# Altium PCB Axiom_Gamma_LSB.PcbDoc (part 3 of 4)
Units mm, origin at the board's own origin, x right, y up, seen from the top; angles counter-clockwise.
Board outline 111 x 121 mm, 4 copper layers (Component Side, Signal Layer, Ground Plane, Solder Side), stack 0.844 mm thick; 55 components, 86 nets, 485 pads, 241 vias.
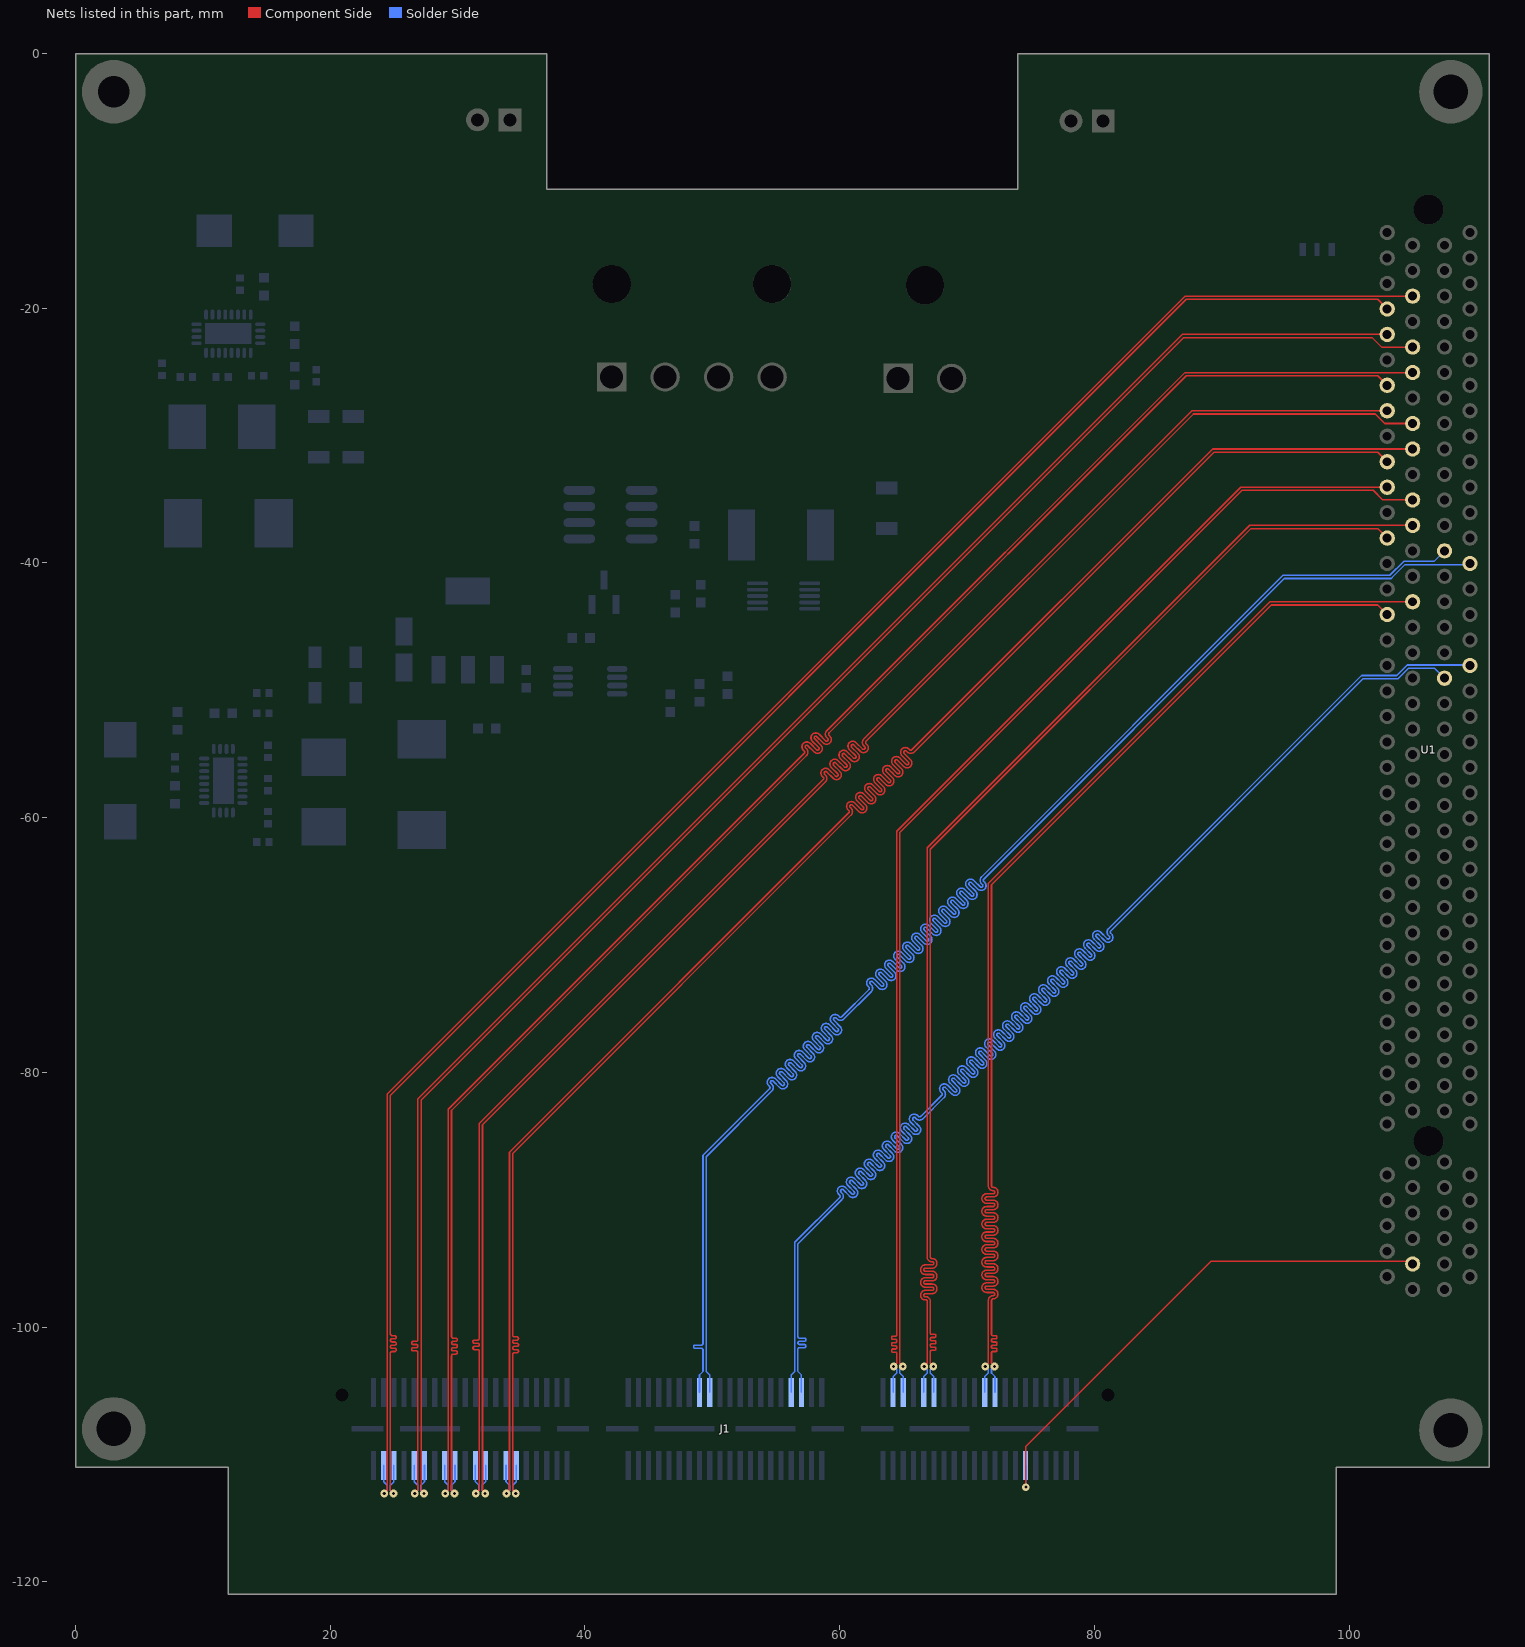
[diagram p5: the nets of this part, all layers, seen from the top]

## Via types
v1: diameter 0.6, hole 0.25, Component Side to Solder Side, 241 vias

## Nets (pads, with @x,y where several pads share a name; then routed paths per layer and width w, separated by ;. In a path a pad name is that pad's centre, name@x,y a point inside that pad or via, vN(x,y) a via of type N, cw(c..) or ccw(c..) an arc to the next point about the centre after c; other vN are vias at no path point) (continued)
HSIOM2_LVDS_9_N: J1.48 U1.B48 | length 135.5
  Solder Side w0.125: J1.48@56.198,-105.135 56.198,-103.761 56.473,-103.486 56.473,-102 56.473,-101.875 56.473,-101.75 56.473,-100.75 56.473,-100.3 56.473,-93.352 60,-89.826 ccw(c59.912,-89.738) 60.037,-89.738 ccw(c59.912,-89.738) 60,-89.649 59.929,-89.578 cw(c60.194,-89.313) 59.929,-89.048 cw(c60.194,-89.313) 60.46,-89.048 60.955,-89.543 ccw(c61.043,-89.455) 61.131,-89.543 ccw(c61.043,-89.455) 61.168,-89.455 ccw(c61.043,-89.455) 61.131,-89.366 60.636,-88.871 cw(c60.902,-88.606) 60.636,-88.341 cw(c60.902,-88.606) 61.167,-88.341 61.662,-88.836 ccw(c61.75,-88.748) 61.838,-88.836 ; 61.838,-88.836 ccw(c61.75,-88.748) 61.875,-88.748 ccw(c61.75,-88.748) 61.838,-88.659 61.344,-88.164 cw(c61.609,-87.899) 61.344,-87.634 cw(c61.609,-87.899) 61.874,-87.634 62.369,-88.129 ; 62.369,-88.129 ccw(c62.457,-88.04) 62.545,-88.129 ; 62.546,-88.129 ccw(c62.457,-88.04) 62.582,-88.04 ccw(c62.457,-88.04) 62.546,-87.952 62.051,-87.457 cw(c62.316,-87.192) 62.051,-86.927 cw(c62.316,-87.192) 62.581,-86.927 63.076,-87.422 ccw(c63.164,-87.333) 63.253,-87.422 ccw(c63.164,-87.333) 63.289,-87.333 ccw(c63.164,-87.333) 63.253,-87.245 62.758,-86.75 cw(c63.023,-86.485) 62.758,-86.22 cw(c63.023,-86.485) 63.288,-86.22 63.783,-86.715 ccw(c63.871,-86.626) 63.96,-86.715 ccw(c63.871,-86.626) 63.996,-86.626 ccw(c63.871,-86.626) 63.96,-86.538 63.465,-86.043 cw(c63.73,-85.778) 63.465,-85.513 cw(c63.73,-85.778) 63.995,-85.513 64.49,-86.008 ccw(c64.579,-85.919) 64.667,-86.008 ccw(c64.579,-85.919) 64.704,-85.919 ccw(c64.579,-85.919) 64.667,-85.831 64.172,-85.336 cw(c64.437,-85.071) 64.172,-84.805 cw(c64.437,-85.071) 64.702,-84.805 65.197,-85.3 ccw(c65.286,-85.212) 65.374,-85.3 ccw(c65.286,-85.212) 65.411,-85.212 ccw(c65.286,-85.212) 65.374,-85.124 64.879,-84.629 cw(c65.144,-84.363) 64.879,-84.098 cw(c65.144,-84.363) 65.409,-84.098 ; 65.41,-84.098 65.904,-84.593 ccw(c65.993,-84.505) 66.081,-84.593 ccw(c65.993,-84.505) 66.118,-84.505 ccw(c65.993,-84.505) 66.081,-84.417 ; 66.081,-84.417 65.586,-83.922 cw(c65.851,-83.656) 65.586,-83.391 cw(c65.851,-83.656) 66.117,-83.391 66.188,-83.463 ccw(c66.276,-83.376) 66.363,-83.463 68.026,-81.8 ccw(c67.938,-81.712) 68.063,-81.712 ccw(c67.938,-81.712) 68.026,-81.623 67.955,-81.553 cw(c68.22,-81.287) 67.955,-81.022 cw(c68.22,-81.287) 68.486,-81.022 68.981,-81.517 ccw(c69.069,-81.429) 69.157,-81.518 ; 69.157,-81.517 ccw(c69.069,-81.429) 69.194,-81.429 ccw(c69.069,-81.429) 69.157,-81.34 68.662,-80.845 cw(c68.928,-80.58) 68.662,-80.315 cw(c68.928,-80.58) 69.193,-80.315 69.688,-80.81 ; 69.688,-80.81 ccw(c69.776,-80.722) 69.864,-80.81 ; 69.864,-80.81 ccw(c69.776,-80.722) 69.901,-80.722 ccw(c69.776,-80.722) 69.864,-80.633 ; 69.865,-80.634 69.369,-80.138 cw(c69.635,-79.873) 69.369,-79.608 cw(c69.635,-79.873) 69.9,-79.608 70.395,-80.103 ccw(c70.483,-80.015) 70.571,-80.103 ; 70.572,-80.103 ccw(c70.483,-80.015) 70.608,-80.015 ccw(c70.483,-80.015) 70.572,-79.926 70.077,-79.431 cw(c70.342,-79.166) 70.077,-78.901 cw(c70.342,-79.166) 70.607,-78.901 71.102,-79.396 ccw(c71.19,-79.307) 71.278,-79.396 ccw(c71.19,-79.307) 71.315,-79.307 ccw(c71.19,-79.307) 71.279,-79.219 70.784,-78.724 cw(c71.049,-78.459) 70.784,-78.194 cw(c71.049,-78.459) 71.314,-78.194 71.809,-78.689 ccw(c71.897,-78.6) 71.986,-78.689 ccw(c71.897,-78.6) 72.022,-78.6 ccw(c71.897,-78.6) 71.986,-78.512 71.491,-78.017 cw(c71.756,-77.752) 71.491,-77.487 cw(c71.756,-77.752) 72.021,-77.487 72.516,-77.982 ccw(c72.605,-77.893) 72.693,-77.982 ; 72.693,-77.982 ccw(c72.605,-77.893) 72.73,-77.893 ccw(c72.605,-77.893) 72.693,-77.805 72.198,-77.31 cw(c72.463,-77.045) 72.198,-76.779 cw(c72.463,-77.045) 72.728,-76.779 73.223,-77.274 ccw(c73.312,-77.186) 73.4,-77.275 ; 73.4,-77.274 ccw(c73.312,-77.186) 73.437,-77.186 ccw(c73.312,-77.186) 73.4,-77.098 72.905,-76.603 cw(c73.17,-76.338) 72.905,-76.072 cw(c73.17,-76.338) 73.435,-76.072 73.931,-76.568 ccw(c74.019,-76.479) 74.107,-76.568 ; 74.108,-76.567 ccw(c74.019,-76.479) 74.144,-76.479 ccw(c74.019,-76.479) 74.107,-76.391 73.612,-75.896 cw(c73.877,-75.63) 73.612,-75.365 cw(c73.877,-75.63) 74.143,-75.365 74.638,-75.86 ccw(c74.726,-75.772) 74.814,-75.861 ccw(c74.726,-75.772) 74.851,-75.772 ccw(c74.726,-75.772) 74.814,-75.683 74.319,-75.188 cw(c74.584,-74.923) 74.319,-74.658 cw(c74.584,-74.923) 74.85,-74.658 75.345,-75.153 ; 75.345,-75.153 ccw(c75.433,-75.065) 75.521,-75.153 ccw(c75.433,-75.065) 75.558,-75.065 ccw(c75.433,-75.065) 75.522,-74.977 75.274,-74.729 75.026,-74.481 cw(c75.292,-74.216) 75.026,-73.951 cw(c75.292,-74.216) 75.557,-73.951 76.052,-74.446 ccw(c76.14,-74.358) 76.228,-74.446 ; 76.228,-74.446 ccw(c76.14,-74.358) 76.265,-74.358 ccw(c76.14,-74.358) 76.228,-74.269 ; 76.229,-74.269 75.734,-73.774 cw(c75.999,-73.509) 75.734,-73.244 cw(c75.999,-73.509) 76.264,-73.244 76.759,-73.739 ccw(c76.847,-73.65) 76.935,-73.739 ccw(c76.847,-73.65) 76.972,-73.65 ccw(c76.847,-73.65) 76.936,-73.562 ; 76.936,-73.562 76.441,-73.067 cw(c76.706,-72.802) 76.441,-72.537 cw(c76.706,-72.802) 76.971,-72.537 77.466,-73.032 ccw(c77.554,-72.943) 77.642,-73.032 ccw(c77.554,-72.943) 77.679,-72.943 ccw(c77.554,-72.943) 77.643,-72.855 77.148,-72.36 cw(c77.413,-72.095) 77.148,-71.83 cw(c77.413,-72.095) 77.678,-71.83 78.173,-72.325 ccw(c78.261,-72.236) 78.349,-72.325 ; 78.35,-72.324 ccw(c78.261,-72.236) 78.386,-72.236 ccw(c78.261,-72.236) 78.35,-72.148 77.855,-71.653 cw(c78.12,-71.388) 77.855,-71.123 cw(c78.12,-71.388) 78.385,-71.123 78.88,-71.618 ; 78.88,-71.618 ccw(c78.969,-71.529) 79.057,-71.618 ; 79.057,-71.618 ccw(c78.969,-71.529) 79.094,-71.529 ccw(c78.969,-71.529) 79.057,-71.441 78.562,-70.946 cw(c78.827,-70.681) 78.562,-70.415 cw(c78.827,-70.681) 79.092,-70.415 79.587,-70.91 ; 79.588,-70.911 ccw(c79.676,-70.822) 79.764,-70.91 ccw(c79.676,-70.822) 79.801,-70.822 ccw(c79.676,-70.822) 79.764,-70.734 ; 79.764,-70.734 79.269,-70.239 cw(c79.534,-69.973) 79.269,-69.708 cw(c79.534,-69.973) 79.799,-69.708 80.294,-70.203 ccw(c80.383,-70.115) 80.471,-70.204 ccw(c80.383,-70.115) 80.508,-70.115 ccw(c80.383,-70.115) 80.471,-70.027 ; 80.471,-70.027 79.976,-69.532 cw(c80.241,-69.266) 79.976,-69.001 cw(c80.241,-69.266) 80.507,-69.001 81.002,-69.496 ccw(c81.09,-69.408) 81.178,-69.497 ccw(c81.09,-69.408) 81.215,-69.408 ccw(c81.09,-69.408) 81.178,-69.319 81.108,-69.249 cw(c81.373,-68.984) 81.108,-68.718 100.988,-48.838 103.745,-48.838 104.57,-48.012 106.712,-48.012 109.462,-48.012 U1.B48@109.5,-48.05
HSIOM2_LVDS_9_P: J1.46 U1.B47 | length 135.5
  Solder Side w0.125: J1.46@56.998,-105.135 56.998,-103.761 56.723,-103.486 56.723,-102 56.723,-101.875 56.723,-101.75 cw(c56.848,-101.75) 56.848,-101.625 57.232,-101.625 ccw(c57.232,-101.5) 57.357,-101.5 ccw(c57.232,-101.5) 57.232,-101.375 56.848,-101.375 cw(c56.848,-101.25) 56.723,-101.25 cw(c56.848,-101.25) 56.848,-101.125 57.232,-101.125 ccw(c57.232,-101) 57.357,-101 ccw(c57.232,-101) 57.232,-100.875 56.848,-100.875 cw(c56.848,-100.75) 56.723,-100.75 56.723,-100.3 56.723,-93.456 60.177,-90.003 ccw(c59.912,-89.738) 60.287,-89.738 ccw(c59.912,-89.738) 60.177,-89.472 60.106,-89.402 cw(c60.194,-89.313) 60.106,-89.225 ; 60.106,-89.225 cw(c60.194,-89.313) 60.283,-89.225 60.778,-89.72 ccw(c61.043,-89.455) 61.308,-89.72 ccw(c61.043,-89.455) 61.418,-89.455 ccw(c61.043,-89.455) 61.308,-89.19 60.813,-88.695 cw(c60.902,-88.606) 60.813,-88.518 ; 60.813,-88.518 cw(c60.902,-88.606) 60.99,-88.518 ; 60.99,-88.518 61.485,-89.013 ccw(c61.75,-88.748) 62.015,-89.013 ccw(c61.75,-88.748) 62.125,-88.748 ccw(c61.75,-88.748) 62.015,-88.482 61.52,-87.987 cw(c61.609,-87.899) 61.52,-87.811 ; 61.521,-87.81 cw(c61.609,-87.899) 61.697,-87.811 62.192,-88.306 ccw(c62.457,-88.04) 62.722,-88.306 ccw(c62.457,-88.04) 62.832,-88.04 ccw(c62.457,-88.04) 62.722,-87.775 62.227,-87.28 cw(c62.316,-87.192) 62.227,-87.104 cw(c62.316,-87.192) 62.404,-87.104 62.899,-87.598 ccw(c63.164,-87.333) 63.43,-87.599 ccw(c63.164,-87.333) 63.539,-87.333 ccw(c63.164,-87.333) 63.43,-87.068 62.935,-86.573 cw(c63.023,-86.485) 62.935,-86.396 cw(c63.023,-86.485) 63.111,-86.396 63.606,-86.891 ccw(c63.871,-86.626) 64.137,-86.891 ccw(c63.871,-86.626) 64.246,-86.626 ccw(c63.871,-86.626) 64.137,-86.361 63.641,-85.866 ; 63.641,-85.69 ccw(c63.73,-85.778) 63.642,-85.866 ; 63.642,-85.689 cw(c63.73,-85.778) 63.818,-85.689 64.313,-86.184 ccw(c64.579,-85.919) 64.844,-86.184 ccw(c64.579,-85.919) 64.954,-85.919 ccw(c64.579,-85.919) 64.844,-85.654 64.349,-85.159 cw(c64.437,-85.071) 64.348,-84.983 cw(c64.437,-85.071) 64.526,-84.982 65.021,-85.477 ccw(c65.286,-85.212) 65.551,-85.477 ccw(c65.286,-85.212) 65.661,-85.212 ccw(c65.286,-85.212) 65.551,-84.947 65.056,-84.452 cw(c65.144,-84.363) 65.056,-84.275 cw(c65.144,-84.363) 65.233,-84.275 65.727,-84.77 ; 65.728,-84.77 ccw(c65.993,-84.505) 66.258,-84.77 ccw(c65.993,-84.505) 66.368,-84.505 ccw(c65.993,-84.505) 66.258,-84.24 65.763,-83.745 cw(c65.851,-83.656) 65.763,-83.568 cw(c65.851,-83.656) 65.94,-83.568 66.012,-83.64 ccw(c66.276,-83.376) 66.54,-83.64 68.203,-81.977 ccw(c67.938,-81.712) 68.313,-81.712 ccw(c67.938,-81.712) 68.203,-81.446 68.132,-81.376 cw(c68.22,-81.287) 68.132,-81.199 cw(c68.22,-81.287) 68.309,-81.199 ; 68.309,-81.199 68.804,-81.694 ccw(c69.069,-81.429) 69.334,-81.694 ccw(c69.069,-81.429) 69.444,-81.429 ccw(c69.069,-81.429) 69.334,-81.164 68.839,-80.669 cw(c68.928,-80.58) 68.839,-80.492 cw(c68.928,-80.58) 69.016,-80.492 69.511,-80.987 ccw(c69.776,-80.722) 70.041,-80.987 ccw(c69.776,-80.722) 70.151,-80.722 ccw(c69.776,-80.722) 70.041,-80.456 69.546,-79.961 cw(c69.635,-79.873) 69.546,-79.785 cw(c69.635,-79.873) 69.723,-79.785 70.218,-80.28 ccw(c70.483,-80.015) 70.748,-80.28 ccw(c70.483,-80.015) 70.858,-80.015 ccw(c70.483,-80.015) 70.748,-79.749 70.253,-79.254 ; 70.253,-79.078 ccw(c70.342,-79.166) 70.253,-79.254 ; 70.253,-79.078 cw(c70.342,-79.166) 70.43,-79.078 70.925,-79.573 ccw(c71.19,-79.307) 71.455,-79.573 ccw(c71.19,-79.307) 71.565,-79.307 ccw(c71.19,-79.307) 71.455,-79.042 70.96,-78.547 ; 70.96,-78.547 cw(c71.049,-78.459) 70.96,-78.371 cw(c71.049,-78.459) 71.137,-78.37 ; 71.137,-78.37 71.385,-78.618 ; 71.385,-78.618 71.632,-78.865 ccw(c71.897,-78.6) 72.163,-78.865 ccw(c71.897,-78.6) 72.272,-78.6 ccw(c71.897,-78.6) 72.163,-78.335 71.668,-77.84 cw(c71.756,-77.752) 71.667,-77.664 cw(c71.756,-77.752) 71.844,-77.663 ; 71.844,-77.663 72.339,-78.158 ccw(c72.605,-77.893) 72.87,-78.158 ccw(c72.605,-77.893) 72.98,-77.893 ccw(c72.605,-77.893) 72.87,-77.628 72.375,-77.133 cw(c72.463,-77.045) 72.374,-76.957 cw(c72.463,-77.045) 72.551,-76.956 73.046,-77.451 ccw(c73.312,-77.186) 73.577,-77.451 ccw(c73.312,-77.186) 73.687,-77.186 ccw(c73.312,-77.186) 73.577,-76.921 73.082,-76.426 cw(c73.17,-76.338) 73.081,-76.25 ; 73.082,-76.249 cw(c73.17,-76.338) 73.259,-76.249 73.754,-76.744 ccw(c74.019,-76.479) 74.284,-76.744 ccw(c74.019,-76.479) 74.394,-76.479 ccw(c74.019,-76.479) 74.284,-76.214 73.789,-75.719 ; 73.789,-75.542 ccw(c73.877,-75.63) 73.789,-75.719 ; 73.789,-75.542 cw(c73.877,-75.63) 73.966,-75.542 74.461,-76.037 ccw(c74.726,-75.772) 74.991,-76.037 ccw(c74.726,-75.772) 75.101,-75.772 ccw(c74.726,-75.772) 74.991,-75.507 74.496,-75.011 cw(c74.584,-74.923) 74.496,-74.835 cw(c74.584,-74.923) 74.673,-74.835 75.168,-75.33 ccw(c75.433,-75.065) 75.698,-75.33 ccw(c75.433,-75.065) 75.808,-75.065 ccw(c75.433,-75.065) 75.698,-74.8 75.203,-74.304 cw(c75.292,-74.216) 75.203,-74.128 cw(c75.292,-74.216) 75.38,-74.128 75.875,-74.623 ccw(c76.14,-74.358) 76.405,-74.623 ccw(c76.14,-74.358) 76.515,-74.358 ccw(c76.14,-74.358) 76.405,-74.092 75.91,-73.597 cw(c75.999,-73.509) 75.91,-73.421 cw(c75.999,-73.509) 76.087,-73.421 76.582,-73.916 ccw(c76.847,-73.65) 77.112,-73.916 ccw(c76.847,-73.65) 77.222,-73.65 ccw(c76.847,-73.65) 77.112,-73.385 76.617,-72.89 ; 76.617,-72.714 ccw(c76.706,-72.802) 76.617,-72.89 ; 76.617,-72.714 cw(c76.706,-72.802) 76.794,-72.714 77.289,-73.209 ccw(c77.554,-72.943) 77.819,-73.209 ccw(c77.554,-72.943) 77.929,-72.943 ccw(c77.554,-72.943) 77.819,-72.678 77.324,-72.183 ; 77.325,-72.183 cw(c77.413,-72.095) 77.324,-72.007 ; 77.325,-72.006 cw(c77.413,-72.095) 77.501,-72.006 77.996,-72.501 ccw(c78.261,-72.236) 78.527,-72.501 ccw(c78.261,-72.236) 78.636,-72.236 ccw(c78.261,-72.236) 78.527,-71.971 78.031,-71.476 cw(c78.12,-71.388) 78.031,-71.3 cw(c78.12,-71.388) 78.208,-71.299 78.703,-71.794 ccw(c78.969,-71.529) 79.234,-71.794 ccw(c78.969,-71.529) 79.344,-71.529 ccw(c78.969,-71.529) 79.234,-71.264 78.739,-70.769 cw(c78.827,-70.681) 78.739,-70.592 cw(c78.827,-70.681) 78.915,-70.592 79.163,-70.84 79.411,-71.087 ccw(c79.676,-70.822) 79.941,-71.087 ccw(c79.676,-70.822) 80.051,-70.822 ccw(c79.676,-70.822) 79.941,-70.557 79.446,-70.062 cw(c79.534,-69.973) 79.445,-69.886 ; 79.446,-69.885 cw(c79.534,-69.973) 79.623,-69.885 80.118,-70.38 ccw(c80.383,-70.115) 80.648,-70.38 ccw(c80.383,-70.115) 80.758,-70.115 ccw(c80.383,-70.115) 80.648,-69.85 80.153,-69.355 cw(c80.241,-69.266) 80.153,-69.178 ; 80.153,-69.178 cw(c80.241,-69.266) 80.33,-69.178 80.825,-69.673 ccw(c81.09,-69.408) 81.355,-69.673 ccw(c81.09,-69.408) 81.465,-69.408 ccw(c81.09,-69.408) 81.355,-69.143 81.284,-69.072 cw(c81.373,-68.984) 81.284,-68.895 101.092,-49.088 103.849,-49.088 104.674,-48.262 106.712,-48.262 U1.B47@107.5,-49.05
HSIOM2_LVDS_SSCLK_N: J1.66 U1.B57 | length 135.9
  Solder Side w0.125: J1.66@48.998,-105.135 48.998,-103.761 49.273,-103.486 49.273,-101.8 ccw(c49.148,-101.8) 49.148,-101.675 48.654,-101.675 cw(c48.654,-101.55) 48.529,-101.55 cw(c48.654,-101.55) 48.654,-101.425 49.148,-101.425 ccw(c49.148,-101.3) 49.273,-101.3 49.273,-98.7 49.273,-86.519 54.5,-81.292 ccw(c54.412,-81.204) 54.537,-81.204 ccw(c54.412,-81.204) 54.5,-81.116 54.429,-81.045 cw(c54.694,-80.78) 54.429,-80.515 cw(c54.694,-80.78) 54.96,-80.515 55.455,-81.01 ccw(c55.543,-80.921) 55.631,-81.01 ccw(c55.543,-80.921) 55.668,-80.921 ccw(c55.543,-80.921) 55.631,-80.833 ; 55.632,-80.833 55.136,-80.338 cw(c55.402,-80.073) 55.136,-79.808 cw(c55.402,-80.073) 55.667,-79.808 56.162,-80.303 ccw(c56.25,-80.214) 56.338,-80.303 ccw(c56.25,-80.214) 56.375,-80.214 ccw(c56.25,-80.214) 56.338,-80.126 55.844,-79.631 cw(c56.109,-79.366) 55.844,-79.1 cw(c56.109,-79.366) 56.374,-79.1 56.869,-79.596 ccw(c56.957,-79.507) 57.045,-79.596 ; 57.046,-79.595 ccw(c56.957,-79.507) 57.082,-79.507 ccw(c56.957,-79.507) 57.046,-79.419 56.551,-78.924 cw(c56.816,-78.658) 56.551,-78.393 cw(c56.816,-78.658) 57.081,-78.393 57.576,-78.888 ; 57.576,-78.888 ccw(c57.664,-78.8) 57.752,-78.889 ; 57.753,-78.888 ccw(c57.664,-78.8) 57.789,-78.8 ccw(c57.664,-78.8) 57.753,-78.711 57.258,-78.216 cw(c57.523,-77.951) 57.258,-77.686 cw(c57.523,-77.951) 57.788,-77.686 58.283,-78.181 ccw(c58.371,-78.093) 58.46,-78.181 ccw(c58.371,-78.093) 58.496,-78.093 ccw(c58.371,-78.093) 58.46,-78.004 ; 58.46,-78.005 57.965,-77.509 cw(c58.23,-77.244) 57.965,-76.979 cw(c58.23,-77.244) 58.495,-76.979 58.99,-77.474 ccw(c59.079,-77.386) 59.167,-77.474 ccw(c59.079,-77.386) 59.204,-77.386 ccw(c59.079,-77.386) 59.167,-77.297 ; 59.167,-77.297 58.672,-76.802 cw(c58.937,-76.537) 58.672,-76.272 cw(c58.937,-76.537) 59.202,-76.272 59.697,-76.767 ccw(c59.786,-76.679) 59.874,-76.767 ccw(c59.786,-76.679) 59.911,-76.679 ccw(c59.786,-76.679) 59.874,-76.59 59.379,-76.095 cw(c59.644,-75.83) 59.379,-75.565 cw(c59.644,-75.83) 59.909,-75.565 59.98,-75.636 ccw(c60.069,-75.547) 60.157,-75.636 62.3,-73.492 ccw(c62.212,-73.404) 62.337,-73.404 ccw(c62.212,-73.404) 62.3,-73.316 62.229,-73.245 cw(c62.494,-72.98) 62.229,-72.715 cw(c62.494,-72.98) 62.76,-72.715 63.255,-73.21 ccw(c63.343,-73.121) 63.431,-73.21 ccw(c63.343,-73.121) 63.468,-73.121 ccw(c63.343,-73.121) 63.431,-73.033 62.936,-72.538 cw(c63.202,-72.273) 62.936,-72.008 cw(c63.202,-72.273) 63.467,-72.008 63.962,-72.503 ccw(c64.05,-72.414) 64.138,-72.503 ; 64.138,-72.502 ccw(c64.05,-72.414) 64.175,-72.414 ccw(c64.05,-72.414) 64.138,-72.326 63.644,-71.831 cw(c63.909,-71.566) 63.644,-71.3 cw(c63.909,-71.566) 64.174,-71.3 64.669,-71.796 ; 64.669,-71.795 ccw(c64.757,-71.707) 64.845,-71.796 ; 64.846,-71.795 ccw(c64.757,-71.707) 64.882,-71.707 ccw(c64.757,-71.707) 64.846,-71.619 64.351,-71.124 cw(c64.616,-70.858) 64.351,-70.593 cw(c64.616,-70.858) 64.881,-70.593 65.376,-71.088 ; 65.376,-71.088 ccw(c65.464,-71) 65.552,-71.089 ; 65.553,-71.088 ccw(c65.464,-71) 65.589,-71 ccw(c65.464,-71) 65.553,-70.911 65.058,-70.416 cw(c65.323,-70.151) 65.058,-69.886 cw(c65.323,-70.151) 65.588,-69.886 66.083,-70.381 ccw(c66.171,-70.293) 66.26,-70.381 ccw(c66.171,-70.293) 66.296,-70.293 ccw(c66.171,-70.293) 66.26,-70.204 ; 66.26,-70.205 65.765,-69.709 cw(c66.03,-69.444) 65.765,-69.179 cw(c66.03,-69.444) 66.295,-69.179 66.79,-69.674 ccw(c66.879,-69.586) 66.967,-69.674 ccw(c66.879,-69.586) 67.004,-69.586 ccw(c66.879,-69.586) 66.967,-69.497 66.472,-69.002 cw(c66.737,-68.737) 66.472,-68.472 cw(c66.737,-68.737) 67.002,-68.472 67.497,-68.967 ccw(c67.586,-68.879) 67.674,-68.967 ; 67.674,-68.967 ccw(c67.586,-68.879) 67.711,-68.879 ccw(c67.586,-68.879) 67.674,-68.79 67.179,-68.295 cw(c67.444,-68.03) 67.179,-67.765 cw(c67.444,-68.03) 67.709,-67.765 68.205,-68.26 ccw(c68.293,-68.171) 68.381,-68.26 ; 68.382,-68.259 ccw(c68.293,-68.171) 68.418,-68.171 ccw(c68.293,-68.171) 68.381,-68.083 67.886,-67.588 cw(c68.151,-67.323) 67.886,-67.058 cw(c68.151,-67.323) 68.417,-67.058 68.912,-67.553 ; 68.912,-67.553 ccw(c69,-67.464) 69.088,-67.553 ; 69.088,-67.553 ccw(c69,-67.464) 69.125,-67.464 ccw(c69,-67.464) 69.088,-67.376 68.593,-66.881 cw(c68.859,-66.616) 68.593,-66.351 cw(c68.859,-66.616) 69.124,-66.351 69.619,-66.846 ccw(c69.707,-66.757) 69.795,-66.846 ccw(c69.707,-66.757) 69.832,-66.757 ccw(c69.707,-66.757) 69.796,-66.669 69.548,-66.421 69.3,-66.174 cw(c69.566,-65.909) 69.3,-65.643 cw(c69.566,-65.909) 69.831,-65.643 70.326,-66.138 ccw(c70.414,-66.05) 70.502,-66.139 ; 70.503,-66.138 ccw(c70.414,-66.05) 70.539,-66.05 ccw(c70.414,-66.05) 70.503,-65.962 70.008,-65.467 cw(c70.273,-65.202) 70.008,-64.936 cw(c70.273,-65.202) 70.538,-64.936 71.033,-65.431 ccw(c71.121,-65.343) 71.209,-65.432 ; 71.21,-65.431 ccw(c71.121,-65.343) 71.246,-65.343 ccw(c71.121,-65.343) 71.21,-65.255 71.139,-65.184 cw(c71.404,-64.919) 71.139,-64.653 94.819,-40.973 103.201,-40.973 104.294,-39.88 106.67,-39.88 U1.B57@107.5,-39.05
HSIOM2_LVDS_SSCLK_P: J1.64 U1.B56 | length 135.9
  Solder Side w0.125: J1.64@49.798,-105.135 49.798,-103.761 49.523,-103.486 49.523,-101.8 49.523,-101.3 49.523,-98.7 49.523,-86.623 54.677,-81.469 ccw(c54.412,-81.204) 54.787,-81.204 ccw(c54.412,-81.204) 54.677,-80.939 54.606,-80.868 cw(c54.694,-80.78) 54.606,-80.692 cw(c54.694,-80.78) 54.783,-80.691 55.278,-81.186 ccw(c55.543,-80.921) 55.808,-81.186 ccw(c55.543,-80.921) 55.918,-80.921 ccw(c55.543,-80.921) 55.808,-80.656 55.313,-80.161 cw(c55.402,-80.073) 55.313,-79.985 ; 55.313,-79.984 cw(c55.402,-80.073) 55.49,-79.984 55.985,-80.479 ccw(c56.25,-80.214) 56.515,-80.479 ccw(c56.25,-80.214) 56.625,-80.214 ccw(c56.25,-80.214) 56.515,-79.949 56.02,-79.454 ; 56.02,-79.454 cw(c56.109,-79.366) 56.02,-79.278 ; 56.021,-79.277 cw(c56.109,-79.366) 56.197,-79.277 56.692,-79.772 ccw(c56.957,-79.507) 57.222,-79.772 ccw(c56.957,-79.507) 57.332,-79.507 ccw(c56.957,-79.507) 57.222,-79.242 56.727,-78.747 cw(c56.816,-78.658) 56.727,-78.57 cw(c56.816,-78.658) 56.904,-78.57 57.399,-79.065 ccw(c57.664,-78.8) 57.93,-79.065 ccw(c57.664,-78.8) 58.039,-78.8 ccw(c57.664,-78.8) 57.93,-78.535 57.434,-78.039 cw(c57.523,-77.951) 57.435,-77.863 cw(c57.523,-77.951) 57.611,-77.863 57.859,-78.11 58.106,-78.358 ccw(c58.371,-78.093) 58.637,-78.358 ccw(c58.371,-78.093) 58.746,-78.093 ccw(c58.371,-78.093) 58.637,-77.828 58.142,-77.333 cw(c58.23,-77.244) 58.141,-77.156 cw(c58.23,-77.244) 58.318,-77.156 58.813,-77.651 ccw(c59.079,-77.386) 59.344,-77.651 ccw(c59.079,-77.386) 59.454,-77.386 ccw(c59.079,-77.386) 59.344,-77.12 58.849,-76.625 cw(c58.937,-76.537) 58.848,-76.449 ; 58.849,-76.449 cw(c58.937,-76.537) 59.026,-76.449 59.521,-76.944 ccw(c59.786,-76.679) 60.051,-76.944 ccw(c59.786,-76.679) 60.161,-76.679 ccw(c59.786,-76.679) 60.051,-76.413 59.556,-75.918 ; 59.556,-75.918 cw(c59.644,-75.83) 59.555,-75.742 ; 59.556,-75.742 cw(c59.644,-75.83) 59.733,-75.742 ; 59.732,-75.741 59.803,-75.812 ccw(c60.069,-75.547) 60.334,-75.812 62.477,-73.669 ccw(c62.212,-73.404) 62.587,-73.404 ccw(c62.212,-73.404) 62.477,-73.139 62.406,-73.068 cw(c62.494,-72.98) 62.406,-72.892 ; 62.406,-72.891 cw(c62.494,-72.98) 62.583,-72.891 63.078,-73.386 ccw(c63.343,-73.121) 63.608,-73.386 ccw(c63.343,-73.121) 63.718,-73.121 ccw(c63.343,-73.121) 63.608,-72.856 63.113,-72.361 cw(c63.202,-72.273) 63.113,-72.185 ; 63.113,-72.184 cw(c63.202,-72.273) 63.29,-72.184 ; 63.29,-72.184 63.785,-72.679 ccw(c64.05,-72.414) 64.315,-72.679 ccw(c64.05,-72.414) 64.425,-72.414 ccw(c64.05,-72.414) 64.315,-72.149 63.82,-71.654 cw(c63.909,-71.566) 63.82,-71.478 ; 63.821,-71.477 cw(c63.909,-71.566) 63.997,-71.477 64.492,-71.972 ccw(c64.757,-71.707) 65.022,-71.972 ccw(c64.757,-71.707) 65.132,-71.707 ccw(c64.757,-71.707) 65.022,-71.442 64.527,-70.947 cw(c64.616,-70.858) 64.527,-70.77 cw(c64.616,-70.858) 64.704,-70.77 65.199,-71.265 ccw(c65.464,-71) 65.73,-71.265 ccw(c65.464,-71) 65.839,-71 ccw(c65.464,-71) 65.73,-70.735 65.234,-70.239 cw(c65.323,-70.151) 65.235,-70.063 cw(c65.323,-70.151) 65.411,-70.063 65.659,-70.31 65.906,-70.558 ccw(c66.171,-70.293) 66.437,-70.558 ccw(c66.171,-70.293) 66.546,-70.293 ccw(c66.171,-70.293) 66.437,-70.028 65.942,-69.533 ; 65.941,-69.356 ccw(c66.03,-69.444) 65.942,-69.533 ; 65.942,-69.356 cw(c66.03,-69.444) 66.118,-69.356 66.613,-69.851 ccw(c66.879,-69.586) 67.144,-69.851 ccw(c66.879,-69.586) 67.254,-69.586 ccw(c66.879,-69.586) 67.144,-69.32 66.649,-68.825 cw(c66.737,-68.737) 66.648,-68.649 cw(c66.737,-68.737) 66.826,-68.649 ; 66.825,-68.648 67.321,-69.144 ccw(c67.586,-68.879) 67.851,-69.144 ccw(c67.586,-68.879) 67.961,-68.879 ccw(c67.586,-68.879) 67.851,-68.613 67.356,-68.118 cw(c67.444,-68.03) 67.355,-67.942 cw(c67.444,-68.03) 67.533,-67.942 68.028,-68.437 ccw(c68.293,-68.171) 68.558,-68.437 ccw(c68.293,-68.171) 68.668,-68.171 ccw(c68.293,-68.171) 68.558,-67.906 68.063,-67.411 cw(c68.151,-67.323) 68.063,-67.235 cw(c68.151,-67.323) 68.24,-67.234 68.735,-67.729 ccw(c69,-67.464) 69.265,-67.729 ccw(c69,-67.464) 69.375,-67.464 ccw(c69,-67.464) 69.265,-67.199 68.77,-66.704 cw(c68.859,-66.616) 68.77,-66.528 ; 68.77,-66.527 cw(c68.859,-66.616) 68.947,-66.527 69.442,-67.022 ccw(c69.707,-66.757) 69.972,-67.022 ccw(c69.707,-66.757) 70.082,-66.757 ccw(c69.707,-66.757) 69.972,-66.492 69.477,-65.997 ; 69.477,-65.997 cw(c69.566,-65.909) 69.477,-65.82 cw(c69.566,-65.909) 69.654,-65.82 ; 69.654,-65.82 70.149,-66.315 ccw(c70.414,-66.05) 70.679,-66.315 ccw(c70.414,-66.05) 70.789,-66.05 ccw(c70.414,-66.05) 70.679,-65.785 70.184,-65.29 cw(c70.273,-65.202) 70.184,-65.114 cw(c70.273,-65.202) 70.361,-65.113 ; 70.361,-65.113 70.856,-65.608 ccw(c71.121,-65.343) 71.386,-65.608 ccw(c71.121,-65.343) 71.496,-65.343 ccw(c71.121,-65.343) 71.386,-65.078 71.316,-65.007 cw(c71.404,-64.919) 71.316,-64.83 94.923,-41.223 103.305,-41.223 103.378,-41.15 104.398,-40.13 109.42,-40.13 U1.B56@109.5,-40.05